# KiCad board TRX055.01.01.PB.00.00.kicad_pcb (continued)
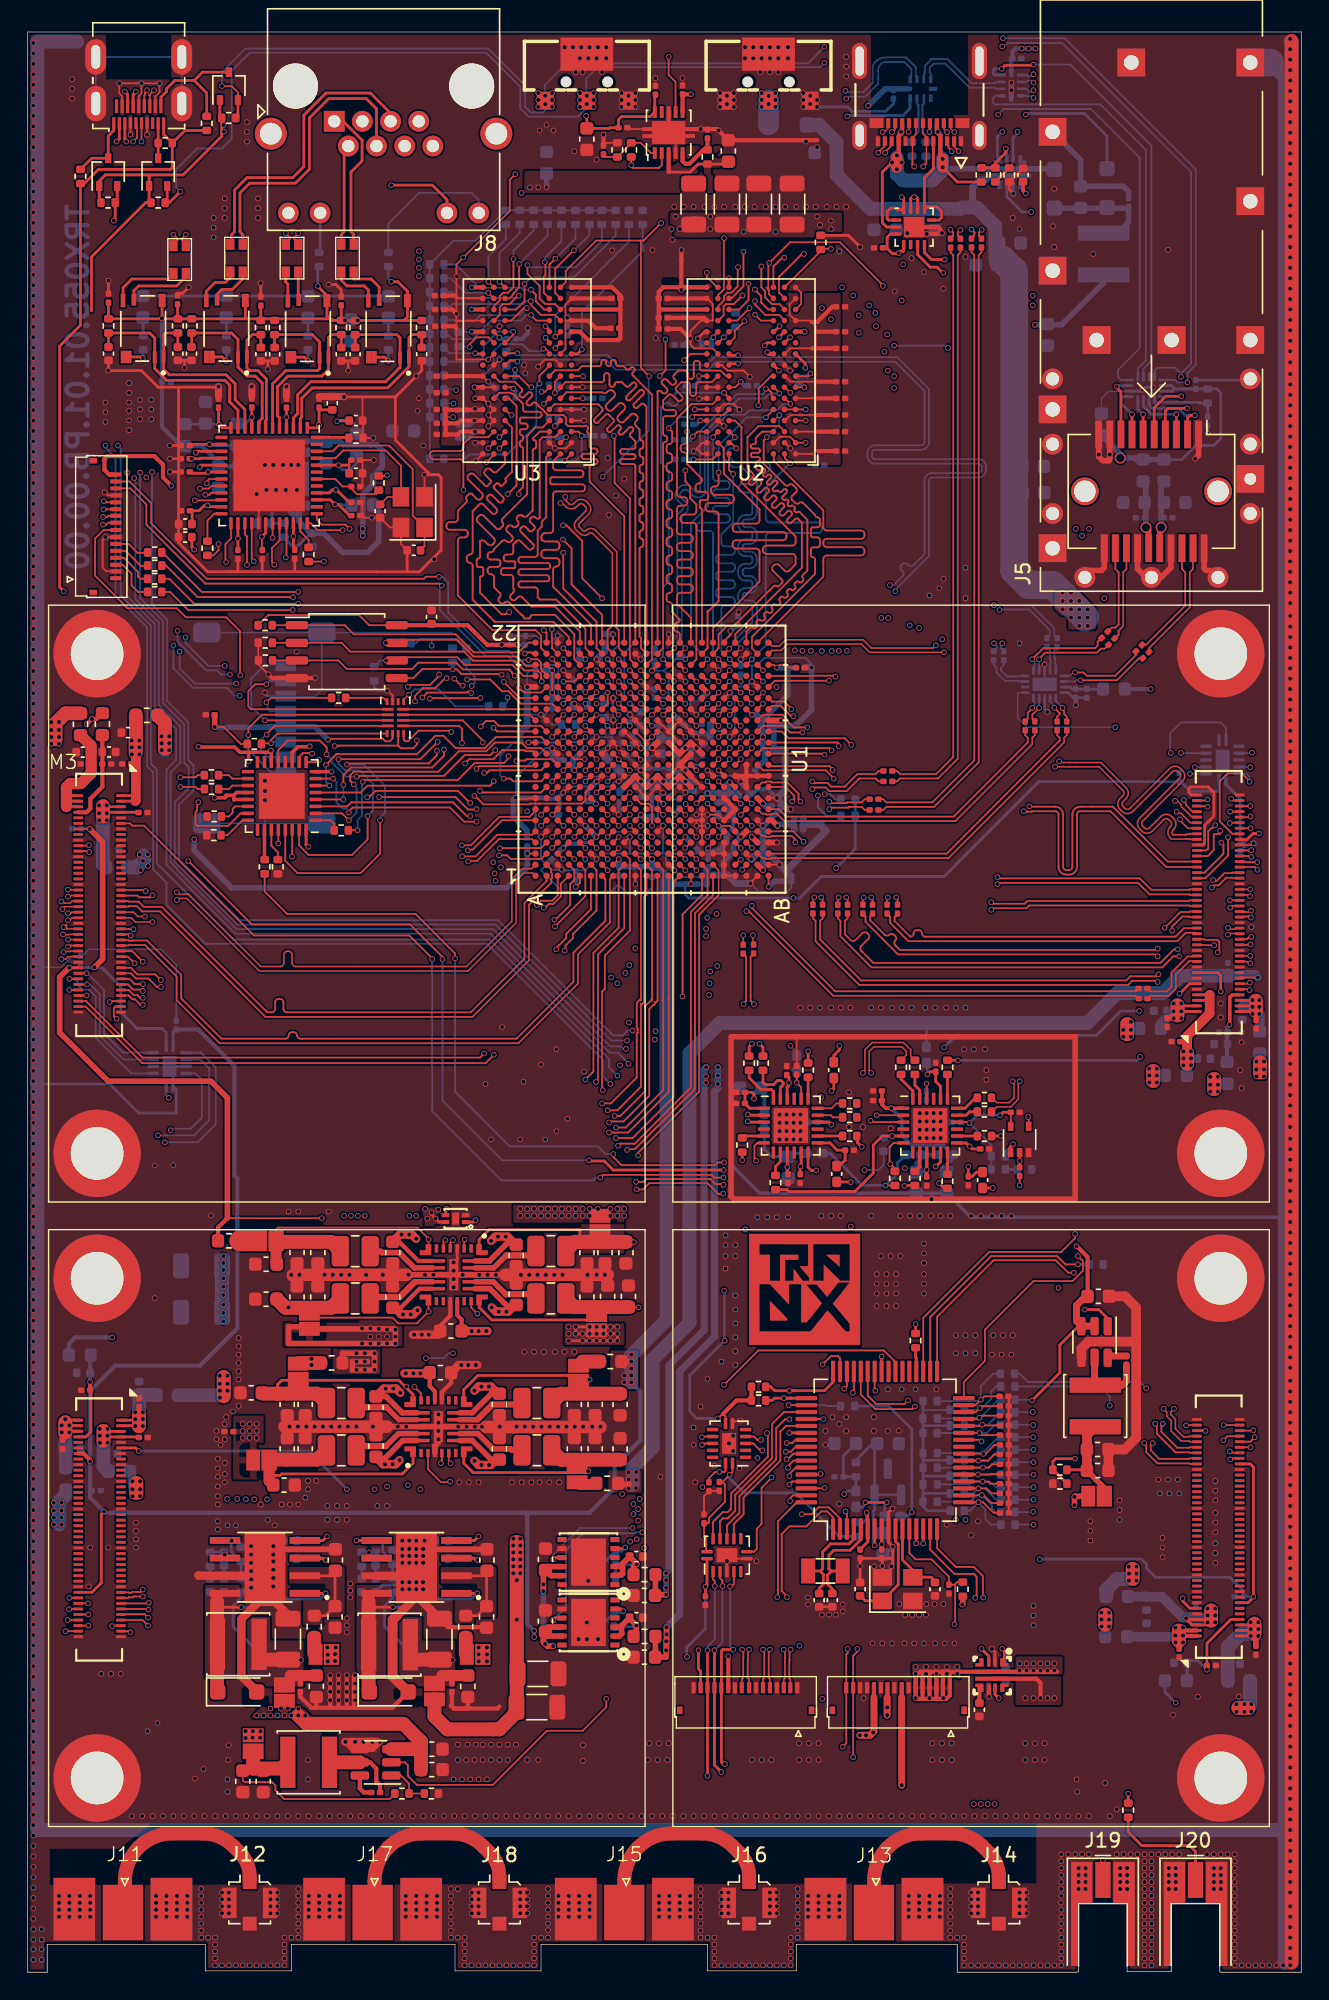
[diagram p0: board, top side]
## Routing (per net, layer and track width the routed paths; a pad name or vN(x,y) marks a point on that pad's centre or on a via; arc(x,y) is an arc through that point) (continued)
/ZynqDDR/DDR_DQ23: length 28.6
  Top w0.127: U1.R22 47.8,97.6 46.8,98.6 46.8,99.15 arc(46.87,99.32) 47.04,99.39 47.69,99.39 arc(47.86,99.46) 47.93,99.63 47.93,99.75 arc(47.86,99.92) 47.69,99.99 47.04,99.99 arc(46.87,100.06) 46.8,100.23 46.8,100.35 arc(46.87,100.52) 47.04,100.59 47.69,100.59 arc(47.86,100.66) 47.93,100.83 47.93,100.95 arc(47.86,101.12) 47.69,101.19 47.04,101.19 arc(46.87,101.26) 46.8,101.43 46.8,101.55 arc(46.87,101.72) 47.04,101.79 47.69,101.79 arc(47.86,101.86) 47.93,102.03 47.93,102.15 arc(47.86,102.32) 47.69,102.39 47.04,102.39 arc(46.87,102.46) 46.8,102.63 46.8,102.75 arc(46.87,102.92) 47.04,102.99 47.69,102.99 arc(47.86,103.06) 47.93,103.23 47.93,103.35 arc(47.86,103.52) 47.69,103.59 47.04,103.59 arc(46.87,103.66) 46.8,103.83 46.8,105.43 arc(46.87,105.6) 47.04,105.67 47.31,105.67 arc(47.48,105.74) 47.55,105.91 47.55,106.03 arc(47.48,106.2) 47.31,106.27 47.04,106.27 arc(46.87,106.34) 46.8,106.51 46.8,111.95 47.85,113 49.38,113 49.78,113.4
/ZynqDDR/DDR_DQ24: length 24.4
  Top w0.127: 52.2,94.6 v1(52.19,94.59) U1.Y20 ; v1(54.95,108.72) 54.58,109.1 54.58,109.4
  In2.Cu w0.127: v1(54.95,108.72) 55.03,108.65
  Bottom w0.127: v1(54.95,108.72) 53.2,106.97 53.2,104.76 arc(53.29,104.55) 53.5,104.46 56.96,104.46 arc(57.17,104.37) 57.26,104.16 57.26,104 arc(57.17,103.79) 56.96,103.7 53.5,103.7 arc(53.29,103.61) 53.2,103.4 53.2,95.6 v1(52.19,94.59)
/ZynqDDR/DDR_DQ25: length 27.8
  Top w0.127: U1.U22 49.4,96.85 52.75,100.2 52.75,102.34 arc(52.68,102.51) 52.51,102.58 51.05,102.58 arc(50.88,102.65) 50.81,102.82 50.81,102.94 arc(50.88,103.11) 51.05,103.18 54.45,103.18 arc(54.62,103.25) 54.69,103.42 54.69,103.54 arc(54.62,103.71) 54.45,103.78 51.05,103.78 arc(50.88,103.85) 50.81,104.02 50.81,104.14 arc(50.88,104.31) 51.05,104.38 52.51,104.38 arc(52.68,104.45) 52.75,104.62 52.75,105.4 50.18,107.97 50.18,109.8 49.78,110.2
/ZynqDDR/DDR_DQ26: length 28.1
  Top w0.127: U1.AA22 57.35,100.55 57.35,101.84 arc(57.42,102.01) 57.59,102.08 60.08,102.08 arc(60.25,102.15) 60.32,102.32 60.32,102.44 arc(60.25,102.61) 60.08,102.68 57.59,102.68 arc(57.42,102.75) 57.35,102.92 57.35,103.04 arc(57.42,103.21) 57.59,103.28 60.08,103.28 arc(60.25,103.35) 60.32,103.52 60.32,103.64 arc(60.25,103.81) 60.08,103.88 57.59,103.88 arc(57.42,103.95) 57.35,104.12 57.35,105.33 53.78,108.9 53.78,109.4
/ZynqDDR/DDR_DQ27: length 28.2
  Top w0.127: U1.U21 49.8,95.4 49.8,96.4 50.4,97 50.9,97 53.78,99.88 arc(53.87,99.92) 53.96,99.88 arc(54.05,99.85) 54.14,99.88 54.38,100.13 arc(54.42,100.22) 54.38,100.31 53.72,100.97 arc(53.65,101.14) 53.72,101.31 53.81,101.39 arc(53.98,101.46) 54.15,101.39 54.55,100.99 arc(54.72,100.92) 54.89,100.99 55.35,101.45 55.35,101.95 arc(55.28,102.12) 55.11,102.19 53.24,102.19 arc(53.07,102.26) 53,102.43 53,102.55 arc(53.07,102.72) 53.24,102.79 55.11,102.79 arc(55.28,102.86) 55.35,103.03 55.35,103.45 51.44,107.36 51.44,111.26 51.48,111.3 50.98,111.8 50.58,111.8
/ZynqDDR/DDR_DQ28: length 28.4
  Top w0.127: U1.W22 51,96.4 55.8,101.2 55.8,104.45 55.54,104.71 arc(55.43,104.75) 55.32,104.71 55.05,104.43 arc(54.94,104.39) 54.83,104.43 54.77,104.49 arc(54.73,104.6) 54.77,104.71 55.05,104.98 arc(55.09,105.09) 55.05,105.2 54.99,105.26 arc(54.88,105.31) 54.77,105.26 54.5,104.99 arc(54.39,104.94) 54.27,104.99 54.22,105.04 arc(54.17,105.15) 54.22,105.26 54.49,105.54 arc(54.54,105.65) 54.49,105.76 54.44,105.81 arc(54.33,105.86) 54.22,105.81 53.94,105.54 arc(53.83,105.49) 53.72,105.54 53.67,105.59 arc(53.62,105.7) 53.67,105.81 53.94,106.09 arc(53.99,106.2) 53.94,106.31 53.89,106.36 arc(53.78,106.41) 53.67,106.36 53.39,106.09 arc(53.28,106.04) 53.17,106.09 53.12,106.14 arc(53.07,106.25) 53.12,106.36 53.39,106.64 arc(53.44,106.75) 53.39,106.86 53.34,106.91 arc(53.23,106.96) 53.12,106.91 52.84,106.64 arc(52.73,106.59) 52.62,106.64 52.57,106.7 arc(52.52,106.81) 52.57,106.92 52.84,107.19 arc(52.89,107.3) 52.84,107.41 52.78,107.47 arc(52.67,107.51) 52.56,107.47 52.29,107.19 arc(52.18,107.15) 52.07,107.19 52.01,107.25 arc(51.97,107.36) 52.01,107.47 52.29,107.74 arc(52.33,107.85) 52.29,107.96 51.88,108.37 51.88,110.6 52.68,111.4 54.18,111.4 54.58,111
/ZynqDDR/DDR_DQ29: length 24.6
  Top w0.127: U1.W20 v1(50.6,94.6) ; v1(50.85,107.95) 50.55,108.25 U2.A7
  Bottom w0.127: 50,97.95 50,95.2 v1(50.6,94.6) ; 50,97.95 50,98.23 arc(50.07,98.4) 50.24,98.47 50.73,98.47 arc(50.9,98.54) 50.97,98.71 50.97,98.84 arc(50.9,99.01) 50.73,99.08 49.81,99.08 arc(49.68,99.13) 49.63,99.26 49.63,99.5 arc(49.68,99.63) 49.81,99.69 50.73,99.69 arc(50.9,99.76) 50.97,99.93 50.97,100.06 arc(50.9,100.23) 50.73,100.3 49.81,100.3 arc(49.68,100.35) 49.63,100.48 49.63,100.72 arc(49.68,100.85) 49.81,100.91 50.73,100.91 arc(50.9,100.98) 50.97,101.15 50.97,101.28 arc(50.9,101.45) 50.73,101.52 49.81,101.52 arc(49.68,101.57) 49.63,101.7 49.63,101.94 arc(49.68,102.07) 49.81,102.13 50.73,102.13 arc(50.9,102.2) 50.97,102.37 50.97,102.5 arc(50.9,102.67) 50.73,102.74 50.24,102.74 arc(50.07,102.81) 50,102.98 50,103.6 50.85,104.45 v1(50.85,107.95) ; 50,97.95 50,97.99
/ZynqDDR/DDR_DQ30: length 25.4
  Top w0.127: 49.78,111 49.41,110.64 ; U1.V20 49.8,94.6
  In2.Cu w0.127: 49.8,94.64 v1(49.8,94.6)
  Bottom w0.127: v1(49.4,110.6) 49.4,107.69 arc(49.47,107.52) 49.64,107.45 50.36,107.45 arc(50.53,107.38) 50.6,107.21 50.6,107.09 arc(50.53,106.92) 50.36,106.85 49.64,106.85 arc(49.47,106.78) 49.4,106.61 49.4,106.49 arc(49.47,106.32) 49.64,106.25 50.36,106.25 arc(50.53,106.18) 50.6,106.01 50.6,105.89 arc(50.53,105.72) 50.36,105.65 49.64,105.65 arc(49.47,105.58) 49.4,105.41 49.4,105.29 arc(49.47,105.12) 49.64,105.05 50.36,105.05 arc(50.53,104.98) 50.6,104.81 50.6,104.69 arc(50.53,104.52) 50.36,104.45 48.44,104.45 arc(48.27,104.38) 48.2,104.21 48.2,104.09 arc(48.27,103.92) 48.44,103.85 49.16,103.85 arc(49.33,103.78) 49.4,103.61 49.4,95 v1(49.8,94.6) 49.8,94.6
/ZynqDDR/DDR_DQ31: length 28.3
  Top w0.127: 53.78,111 52.93,111 52.48,110.55 52.48,110.22 arc(52.44,110.13) 52.35,110.1 52.25,110.1 arc(52.16,110.06) 52.13,109.97 52.13,109.91 arc(52.16,109.82) 52.25,109.79 52.65,109.79 arc(52.74,109.75) 52.78,109.66 52.78,109.6 arc(52.74,109.51) 52.65,109.48 52.25,109.48 arc(52.16,109.44) 52.13,109.35 52.13,109.29 arc(52.16,109.2) 52.25,109.17 52.65,109.17 arc(52.74,109.13) 52.78,109.04 52.78,108.98 arc(52.74,108.89) 52.65,108.86 52.6,108.86 arc(52.51,108.82) 52.48,108.73 52.48,108.37 52.63,108.22 arc(52.72,108.18) 52.81,108.22 52.91,108.33 arc(53,108.36) 53.09,108.33 53.13,108.28 arc(53.17,108.2) 53.13,108.11 53.03,108 arc(52.99,107.91) 53.03,107.82 53.07,107.78 arc(53.16,107.74) 53.24,107.78 53.35,107.89 arc(53.44,107.92) 53.53,107.89 53.57,107.84 arc(53.61,107.76) 53.57,107.67 53.31,107.4 arc(53.28,107.33) 53.31,107.26 53.38,107.18 arc(53.45,107.15) 53.52,107.18 53.79,107.45 arc(53.88,107.49) 53.97,107.45 54.01,107.41 arc(54.05,107.32) 54.01,107.23 53.73,106.95 arc(53.69,106.86) 53.73,106.77 53.77,106.73 arc(53.86,106.69) 53.94,106.73 53.95,106.73 arc(54.03,106.77) 54.12,106.73 54.17,106.68 arc(54.25,106.65) 54.34,106.68 54.48,106.83 arc(54.57,106.86) 54.66,106.83 54.7,106.78 arc(54.74,106.7) 54.7,106.61 54.4,106.31 arc(54.37,106.24) 54.4,106.17 54.48,106.09 arc(54.55,106.06) 54.62,106.09 arc(54.69,106.12) 54.76,106.09 54.81,106.04 arc(54.84,105.96) 54.81,105.87 54.8,105.87 arc(54.77,105.78) 54.8,105.69 54.85,105.65 arc(54.94,105.61) 55.02,105.65 55.02,105.65 arc(55.11,105.69) 55.2,105.65 55.28,105.57 arc(55.31,105.5) 55.28,105.43 arc(55.25,105.36) 55.28,105.29 55.36,105.21 arc(55.43,105.18) 55.5,105.21 arc(55.57,105.24) 55.64,105.21 56.2,104.65 56.2,101 55.86,100.66 arc(55.82,100.56) 55.86,100.45 arc(55.91,100.34) 55.86,100.24 55.8,100.17 arc(55.69,100.13) 55.59,100.17 arc(55.48,100.22) 55.37,100.17 55.31,100.11 arc(55.27,100) 55.31,99.9 arc(55.35,99.79) 55.31,99.69 55.25,99.62 arc(55.14,99.58) 55.04,99.62 arc(54.93,99.67) 54.82,99.62 54.76,99.56 arc(54.72,99.45) 54.76,99.35 arc(54.8,99.24) 54.76,99.14 54.7,99.07 arc(54.59,99.03) 54.48,99.07 arc(54.38,99.12) 54.27,99.07 54.21,99.01 arc(54.16,98.9) 54.21,98.8 arc(54.25,98.69) 54.21,98.58 54.14,98.52 arc(54.04,98.48) 53.93,98.52 arc(53.83,98.56) 53.72,98.52 53.66,98.46 arc(53.61,98.35) 53.66,98.24 arc(53.7,98.14) 53.66,98.03 53.59,97.97 arc(53.49,97.92) 53.38,97.97 arc(53.27,98.01) 53.17,97.97 53.1,97.9 arc(53.06,97.8) 53.1,97.69 arc(53.15,97.59) 53.1,97.48 53.04,97.42 arc(52.94,97.37) 52.83,97.42 arc(52.72,97.46) 52.62,97.42 52.55,97.35 arc(52.51,97.25) 52.55,97.14 arc(52.6,97.04) 52.55,96.93 52.49,96.87 arc(52.38,96.82) 52.28,96.87 arc(52.17,96.91) 52.07,96.87 51.8,96.6 U1.Y22 51.94,95.8
/ZynqDDR/DDR_DQS0_N: length 26.5
  Top w0.127: U1.D21 v1(38.6,95.4) ; v1(34,109.8) U3.B7
  In2.Cu w0.106: 38.6,97.38 36.53,99.45 36.16,99.45 arc(36,99.52) 35.93,99.69 35.93,99.91 arc(35.77,100.29) 35.38,100.45 35.19,100.45 arc(34.81,100.29) 34.65,99.91 34.65,99.69 arc(34.58,99.52) 34.41,99.45 33.05,100.81 33.05,101.77 arc(32.94,102.06) 32.65,102.17 arc(32.59,102.2) 32.56,102.27 32.56,102.74 arc(32.59,102.81) 32.65,102.83 33.51,102.83 arc(33.89,102.99) 34.05,103.38 34.05,103.57 arc(33.89,103.96) 33.51,104.11 32.65,104.11 arc(32.59,104.14) 32.56,104.21 32.56,104.68 arc(32.59,104.75) 32.65,104.77 33.51,104.77 arc(33.89,104.93) 34.05,105.32 34.05,105.51 arc(33.89,105.9) 33.51,106.05 33.29,106.05 arc(33.12,106.12) 33.05,106.29 33.05,106.74 33.24,106.92 arc(33.41,106.99) 33.58,106.92 33.79,106.7 arc(33.96,106.63) 34.13,106.7 34.22,106.78 arc(34.29,106.95) 34.22,107.12 34,107.34 arc(33.93,107.51) 34,107.68 v1(34,109.8)
  In2.Cu w0.107: v1(38.6,95.4) 38.6,97.38
/ZynqDDR/DDR_DQS0_P: length 26.5
  Top w0.124: v1(37.78,96.75) 37.78,96.12 37.8,96.1 37.8,95.42 37.79,95.41 U1.C21
  Top w0.127: U3.C7 v1(34,110.6)
  In2.Cu w0.106: v1(34,110.6) 33.69,110.29 33.69,109.99 33.65,109.95 33.65,109.65 33.69,109.61 33.69,107.81 32.75,106.86 32.75,106.29 arc(32.9,105.9) 33.29,105.74 33.51,105.74 arc(33.67,105.68) 33.74,105.51 33.74,105.32 arc(33.67,105.15) 33.51,105.08 32.65,105.08 arc(32.37,104.97) 32.25,104.68 32.25,104.21 arc(32.37,103.92) 32.65,103.8 33.51,103.8 arc(33.67,103.74) 33.74,103.57 33.74,103.38 arc(33.67,103.21) 33.51,103.14 32.65,103.14 arc(32.37,103.03) 32.25,102.74 32.25,102.27 arc(32.37,101.98) 32.65,101.86 arc(32.72,101.84) 32.75,101.77 32.75,100.69 34.29,99.15 34.41,99.15 arc(34.8,99.3) 34.96,99.69 34.96,99.91 arc(35.03,100.07) 35.19,100.14 35.38,100.14 arc(35.55,100.07) 35.62,99.91 35.62,99.69 arc(35.78,99.3) 36.16,99.15 36.37,99.15 38.18,97.33
  In2.Cu w0.107: v1(37.78,96.75) 38.27,97.24 ; 38.18,97.33 38.18,97.33 38.27,97.25
/ZynqDDR/DDR_DQS1_N: length 26.6
  Top w0.106: 42.4,96.9 42.45,96.95 42.45,102.37 40.93,103.89 arc(40.59,104.03) 40.25,103.89 arc(40.13,103.84) 40.01,103.89 39.76,104.13 arc(39.71,104.25) 39.76,104.38 40.42,105.03 arc(40.58,105.43) 40.42,105.82 40.28,105.96 arc(39.89,106.12) 39.49,105.96 39.35,105.82 arc(39.18,105.74) 39,105.82 38.75,106.07 v1(38.75,106.3)
  Top w0.127: v1(37.03,113.87) 37.27,113.87 U3.G3 ; U1.J21 42.6,95.4 42.6,96.7 42.4,96.9
  In2.Cu w0.106: v1(38.75,106.3) 38.62,106.3 37.05,107.86 37.05,108.56 arc(37.07,108.6) 37.11,108.61 arc(37.36,108.72) 37.47,108.98 37.47,109.51 arc(37.36,109.77) 37.11,109.87 36.69,109.87 arc(36.65,109.89) 36.64,109.93 36.64,110.46 arc(36.65,110.5) 36.69,110.51 arc(36.95,110.62) 37.05,110.88 37.05,111.14 38.15,112.24 38.15,112.75 v1(37.03,113.87)
/ZynqDDR/DDR_DQS1_P: length 25.6
  Top w0.106: v1(38.4,105.85) 38.53,105.85 38.78,105.6 arc(39.18,105.43) 39.57,105.6 39.71,105.74 arc(39.89,105.81) 40.06,105.74 40.2,105.6 arc(40.27,105.43) 40.2,105.25 39.54,104.59 arc(39.4,104.25) 39.54,103.91 39.79,103.67 arc(40.13,103.53) 40.47,103.67 arc(40.59,103.72) 40.71,103.67 42.14,102.24 42.14,97.04 42.03,96.92
  Top w0.127: U1.H21 41.8,95.4 41.8,96.7 42.03,96.92 ; U3.F3 v1(37.2,113)
  In2.Cu w0.106: v1(38.4,105.85) 38.4,106.08 36.75,107.74 36.75,108.56 arc(36.85,108.82) 37.11,108.92 arc(37.15,108.94) 37.16,108.98 37.16,109.51 arc(37.15,109.55) 37.11,109.56 36.69,109.56 arc(36.44,109.67) 36.33,109.93 36.33,110.46 arc(36.44,110.72) 36.69,110.82 arc(36.73,110.84) 36.75,110.88 36.75,111.26 37.85,112.36 37.85,112.62 37.46,113 v1(37.2,113)
/ZynqDDR/DDR_DQS2_N: length 25.8
  Top w0.127: U1.P21 47.38,95.37 ; 53.78,114.2 54.18,113.8
  Bottom w0.124: v1(47.4,95.4) 47.15,95.65 47.15,104.87 47.42,105.14 arc(47.58,105.54) 47.42,105.94 47.08,106.28 arc(47,106.45) 47.08,106.62 47.22,106.77 arc(47.39,106.84) 47.56,106.77 47.9,106.42 arc(48.3,106.26) 48.7,106.42 48.8,106.52 48.8,110.92 51.27,113.39 53.13,113.39 53.49,113.75 v1(54.18,113.75)
/ZynqDDR/DDR_DQS2_P: length 25.8
  Top w0.127: 53.33,114.09 53.62,113.81 53.62,113.56 53.78,113.4 ; U1.N21 46.6,95.4
  Bottom w0.124: v1(46.6,95.42) 46.82,95.65 46.82,105.01 47.19,105.37 arc(47.26,105.54) 47.19,105.71 46.84,106.05 arc(46.68,106.45) 46.84,106.85 46.99,107 arc(47.39,107.16) 47.79,107 48.13,106.65 arc(48.3,106.58) 48.47,106.65 48.47,111.05 51.13,113.71 52.99,113.71 53.26,113.98
  Bottom w0.127: 46.6,95.4 v1(46.6,95.42)
  vias: v1(53.2,114.09)
/ZynqDDR/DDR_DQS3_N: length 25.9
  Top w0.127: U1.W21 v1(51.4,95.4) ; 50.58,110.2 50.68,110.2 v1(51.08,109.8)
  Bottom w0.124: 52.32,96.88 52.56,97.13 52.56,98.32 arc(52.41,98.69) 52.05,98.84 51.73,98.84 arc(51.6,98.89) 51.54,99.03 51.54,99.2 arc(51.6,99.34) 51.73,99.39 52.05,99.39 arc(52.41,99.54) 52.56,99.91 52.56,100.08 arc(52.41,100.45) 52.05,100.6 51.73,100.6 arc(51.6,100.65) 51.54,100.79 51.54,100.96 arc(51.6,101.1) 51.73,101.15 52.05,101.15 arc(52.41,101.3) 52.56,101.67 52.56,101.84 arc(52.41,102.21) 52.05,102.36 51.73,102.36 arc(51.6,102.41) 51.54,102.55 51.54,102.72 arc(51.6,102.86) 51.73,102.91 52.05,102.91 arc(52.41,103.06) 52.56,103.43 52.56,103.6 arc(52.41,103.97) 52.05,104.12 51.73,104.12 arc(51.6,104.17) 51.54,104.31 51.54,104.48 arc(51.6,104.62) 51.73,104.67 52.05,104.67 arc(52.41,104.82) 52.56,105.19 52.56,107.86 52.7,108 53.2,108 53.5,108.3 53.5,108.6 53.34,108.76 50.97,108.76 50.46,109.27 50.46,109.62 50.64,109.8 v1(51.08,109.8)
  Bottom w0.127: v1(51.4,95.4) 51.17,95.63 51.17,95.73 52.32,96.88
/ZynqDDR/DDR_DQS3_P: length 25.9
  Top w0.127: 50.58,111 50.98,110.6 ; U1.V21 v1(50.56,95.36)
  Bottom w0.124: v1(50.97,110.59) 50.14,109.76 50.14,109.13 50.83,108.44 51.48,108.44 52.24,107.68 52.24,107.46 arc(52.17,107.29) 52,107.22 51.49,107.22 arc(51.32,107.15) 51.25,106.98 51.25,106.86 arc(51.32,106.69) 51.49,106.62 52,106.62 arc(52.17,106.55) 52.24,106.38 52.24,105.19 arc(52.18,105.05) 52.05,105 51.73,105 arc(51.36,104.85) 51.21,104.48 51.21,104.31 arc(51.36,103.94) 51.73,103.79 52.05,103.79 arc(52.18,103.74) 52.24,103.6 52.24,103.43 arc(52.18,103.29) 52.05,103.24 51.73,103.24 arc(51.36,103.09) 51.21,102.72 51.21,102.55 arc(51.36,102.18) 51.73,102.03 52.05,102.03 arc(52.18,101.98) 52.24,101.84 52.24,101.67 arc(52.18,101.53) 52.05,101.48 51.73,101.48 arc(51.36,101.33) 51.21,100.96 51.21,100.79 arc(51.36,100.42) 51.73,100.27 52.05,100.27 arc(52.18,100.22) 52.24,100.08 52.24,99.91 arc(52.18,99.77) 52.05,99.72 51.73,99.72 arc(51.36,99.57) 51.21,99.2 51.21,99.03 arc(51.36,98.66) 51.73,98.51 52.05,98.51 arc(52.18,98.46) 52.24,98.32 52.24,97.27 52.08,97.12
  Bottom w0.127: 52.08,97.12 50.83,95.87 50.83,95.63 v1(50.56,95.36)
/ZynqDDR/DDR_ODT: length 95.1
  Top w0.2: U1.P18 v1(47.4,92.2) ; U2.K1 56.05,115.9 v1(56.05,115.6) ; v1(39.95,116.92) 39.63,116.6 U3.K1
  In2.Cu w0.127: v1(62,115.4) 62,114 63.3,112.7 arc(63.47,112.63) 63.64,112.7 63.91,112.98 arc(64.08,113.05) 64.25,112.98 64.34,112.9 arc(64.41,112.73) 64.34,112.56 64.06,112.28 arc(63.99,112.11) 64.06,111.94 64.14,111.86 arc(64.31,111.79) 64.48,111.86 64.76,112.13 arc(64.93,112.2) 65.1,112.13 65.18,112.05 arc(65.25,111.88) 65.18,111.71 64.66,111.18 arc(64.63,111.11) 64.66,111.03 64.93,110.76 arc(65.01,110.73) 65.08,110.76 arc(65.16,110.79) 65.24,110.76 65.7,110.3 65.7,109.94 arc(65.77,109.77) 65.94,109.7 65.98,109.7 arc(66.15,109.63) 66.22,109.46 66.22,109.34 arc(66.15,109.17) 65.98,109.1 65.94,109.1 arc(65.77,109.03) 65.7,108.86 65.7,108.74 arc(65.77,108.57) 65.94,108.5 65.98,108.5 arc(66.15,108.43) 66.22,108.26 66.22,108.14 arc(66.15,107.97) 65.98,107.9 65.94,107.9 arc(65.77,107.83) 65.7,107.66 65.7,107.54 arc(65.77,107.37) 65.94,107.3 65.98,107.3 arc(66.15,107.23) 66.22,107.06 66.22,106.94 arc(66.15,106.77) 65.98,106.7 65.94,106.7 arc(65.77,106.63) 65.7,106.46 65.7,106.34 arc(65.77,106.17) 65.94,106.1 65.98,106.1 arc(66.15,106.03) 66.22,105.86 66.22,105.74 arc(66.15,105.57) 65.98,105.5 65.94,105.5 arc(65.77,105.43) 65.7,105.26 65.7,104.61 65.05,103.96 arc(65.02,103.9) 65.05,103.84 arc(65.07,103.78) 65.05,103.72 64.74,103.42 arc(64.68,103.39) 64.62,103.42 arc(64.56,103.44) 64.5,103.42 64.2,103.11 arc(64.17,103.05) 64.2,102.99 arc(64.22,102.93) 64.2,102.87 63.89,102.57 arc(63.83,102.54) 63.77,102.57 arc(63.71,102.59) 63.65,102.57 63.35,102.26 arc(63.32,102.2) 63.35,102.14 arc(63.37,102.08) 63.35,102.02 63.05,101.72 arc(62.99,101.69) 62.93,101.72 arc(62.87,101.74) 62.81,101.72 61.89,100.8 61.68,100.8 arc(61.51,100.73) 61.44,100.56 61.44,100.27 arc(61.37,100.1) 61.2,100.03 61.08,100.03 arc(60.91,100.1) 60.84,100.27 60.84,100.56 arc(60.77,100.73) 60.6,100.8 60.48,100.8 arc(60.31,100.73) 60.24,100.56 60.24,100.27 arc(60.17,100.1) 60,100.03 59.88,100.03 arc(59.71,100.1) 59.64,100.27 59.64,100.56 arc(59.57,100.73) 59.4,100.8 59.28,100.8 arc(59.11,100.73) 59.04,100.56 59.04,100.27 arc(58.97,100.1) 58.8,100.03 58.68,100.03 arc(58.51,100.1) 58.44,100.27 58.44,100.56 arc(58.37,100.73) 58.2,100.8 58.08,100.8 arc(57.91,100.73) 57.84,100.56 57.84,100.27 arc(57.77,100.1) 57.6,100.03 57.48,100.03 arc(57.31,100.1) 57.24,100.27 57.24,100.56 arc(57.17,100.73) 57,100.8 56.88,100.8 arc(56.71,100.73) 56.64,100.56 56.64,100.27 arc(56.57,100.1) 56.4,100.03 56.28,100.03 arc(56.11,100.1) 56.04,100.27 56.04,100.56 arc(55.97,100.73) 55.8,100.8 55.68,100.8 arc(55.51,100.73) 55.44,100.56 55.44,100.27 arc(55.37,100.1) 55.2,100.03 55.08,100.03 arc(54.91,100.1) 54.84,100.27 54.84,100.56 arc(54.77,100.73) 54.6,100.8 54.48,100.8 arc(54.31,100.73) 54.24,100.56 54.24,100.02 arc(54.17,99.85) 54,99.78 53.88,99.78 arc(53.71,99.85) 53.64,100.02 53.64,100.56 arc(53.57,100.73) 53.4,100.8 52.62,100.02 arc(52.55,99.85) 52.62,99.68 53.15,99.16 arc(53.22,98.99) 53.15,98.82 53.06,98.74 arc(52.89,98.67) 52.72,98.74 52.2,99.26 arc(52.03,99.33) 51.86,99.26 51.77,99.17 arc(51.7,99) 51.77,98.84 51.87,98.74 arc(51.94,98.57) 51.87,98.4 51.79,98.31 arc(51.62,98.24) 51.45,98.31 51.35,98.41 arc(51.18,98.48) 51.01,98.41 50.85,98.25 arc(50.79,98.12) 50.85,97.99 arc(50.9,97.86) 50.85,97.72 50.69,97.56 arc(50.55,97.51) 50.42,97.56 arc(50.29,97.62) 50.16,97.56 50.08,97.48 arc(50.01,97.31) 50.08,97.14 50.21,97 arc(50.28,96.83) 50.21,96.66 50.13,96.58 arc(49.96,96.51) 49.79,96.58 49.65,96.71 arc(49.48,96.78) 49.31,96.71 49.23,96.63 arc(49.16,96.46) 49.23,96.29 49.75,95.77 arc(49.82,95.6) 49.75,95.43 49.67,95.34 arc(49.5,95.27) 49.33,95.34 48.8,95.87 arc(48.63,95.94) 48.47,95.87 48.3,95.7 48.3,93.9 47.84,93.44 47.84,92.64 v1(47.4,92.2) ; v1(56.05,115.6) 55.89,115.76 52.15,115.76 51.85,115.46 50.95,115.46 49.71,116.71 43.86,116.71 arc(43.79,116.74) 43.75,116.82 arc(43.72,116.89) 43.64,116.93 43.26,116.93 arc(43.19,116.89) 43.15,116.82 43.15,116.6 arc(43.12,116.52) 43.04,116.49 42.66,116.49 arc(42.59,116.52) 42.55,116.6 arc(42.52,116.67) 42.44,116.71 40.16,116.71 v1(39.95,116.92)
  In4.Cu w0.127: v1(62,115.4) 59.5,115.4 59.3,115.6 v1(56.05,115.6)
  Bottom w0.127: v1(39.95,116.92) 39.95,119.63 44.33,124.01 R46.1
/ZynqDDR/DDR_RAS: length 94.5
  Top w0.127: v1(36.88,114.46) 36.88,115.02 37.61,115.75 37.61,115.8 ; v1(54.15,115.4) 54.13,115.4
  Top w0.2: U1.R18 v1(48.2,92.2) ; U2.J3 v1(54.15,115.4)
  In2.Cu w0.127: v1(62.45,114.15) 63.45,114.15 66.45,111.15 66.45,104.78 65.7,104.03 arc(65.63,103.86) 65.7,103.69 66.09,103.3 arc(66.16,103.13) 66.09,102.96 66.01,102.88 arc(65.84,102.81) 65.67,102.88 65.28,103.26 arc(65.11,103.34) 64.94,103.26 64.85,103.18 arc(64.78,103.01) 64.85,102.84 65.24,102.45 arc(65.31,102.28) 65.24,102.11 65.16,102.03 arc(64.99,101.96) 64.82,102.03 64.43,102.42 arc(64.26,102.49) 64.09,102.42 64.01,102.33 arc(63.94,102.16) 64.01,101.99 64.39,101.6 arc(64.46,101.43) 64.39,101.26 64.31,101.18 arc(64.14,101.11) 63.97,101.18 63.58,101.57 arc(63.41,101.64) 63.24,101.57 63.16,101.48 arc(63.09,101.31) 63.16,101.14 63.55,100.75 arc(63.62,100.58) 63.55,100.42 63.46,100.33 arc(63.29,100.26) 63.12,100.33 62.73,100.72 arc(62.56,100.79) 62.39,100.72 61.47,99.8 60.96,99.8 arc(60.81,99.74) 60.74,99.58 arc(60.68,99.43) 60.53,99.37 60.36,99.37 arc(60.21,99.43) 60.14,99.58 arc(60.08,99.74) 59.93,99.8 59.76,99.8 arc(59.61,99.74) 59.54,99.58 arc(59.48,99.43) 59.33,99.37 59.16,99.37 arc(59.01,99.43) 58.94,99.58 arc(58.88,99.74) 58.73,99.8 58.56,99.8 arc(58.41,99.74) 58.34,99.58 arc(58.28,99.43) 58.13,99.37 57.96,99.37 arc(57.81,99.43) 57.74,99.58 arc(57.68,99.74) 57.53,99.8 57.36,99.8 arc(57.21,99.74) 57.14,99.58 arc(57.08,99.43) 56.93,99.37 56.76,99.37 arc(56.61,99.43) 56.54,99.58 arc(56.48,99.74) 56.33,99.8 56.16,99.8 arc(56.01,99.74) 55.94,99.58 arc(55.88,99.43) 55.73,99.37 55.56,99.37 arc(55.41,99.43) 55.34,99.58 arc(55.28,99.74) 55.13,99.8 54.48,99.8 54.08,99.41 arc(54.01,99.24) 54.08,99.07 54.47,98.68 arc(54.54,98.51) 54.47,98.34 54.39,98.25 arc(54.22,98.18) 54.05,98.25 53.66,98.64 arc(53.49,98.71) 53.32,98.64 53.24,98.56 arc(53.17,98.39) 53.24,98.22 53.62,97.83 arc(53.7,97.66) 53.62,97.49 53.54,97.4 arc(53.37,97.33) 53.2,97.4 52.4,98.2 arc(52.23,98.27) 52.06,98.2 51.98,98.12 arc(51.91,97.95) 51.98,97.78 52.78,96.98 arc(52.85,96.81) 52.78,96.64 52.69,96.56 arc(52.52,96.49) 52.35,96.56 51.38,97.53 arc(51.21,97.6) 51.04,97.53 50.95,97.45 arc(50.88,97.28) 50.95,97.11 51.82,96.24 arc(51.89,96.07) 51.82,95.9 51.74,95.81 arc(51.57,95.74) 51.4,95.81 51.11,96.1 arc(50.94,96.17) 50.78,96.1 49.43,94.75 49.43,94.48 48.6,93.65 48.6,92.71 48.2,92.31 v1(48.2,92.2)
  In4.Cu w0.127: 36.99,114.35 v1(36.88,114.46) 37,114.58 40.31,114.58 40.66,114.23 51.88,114.23 52.61,114.96 53.71,114.96 v1(54.15,115.4) 54.72,114.83 61.77,114.83 v1(62.45,114.15)
  Bottom w0.127: R43.1 31.51,109.05 31.81,109.35 34.56,109.35 36.67,111.46 36.67,114.25 v1(36.88,114.46)
/ZynqDDR/DDR_RST: length 61.5
  Top w0.127: v1(45.66,126.03) 44.39,124.77 44.39,124.76 40.97,124.76 38.78,122.58 38.78,121.77 38.41,121.4 ; U2.T2 57.32,124.17 57.92,124.17 ; v1(44.79,115) 44.2,115.59 44.2,124.76
  Top w0.2: U1.F20 v1(40.2,93.8)
  In2.Cu w0.127: v1(45.66,126.03) 56.03,126.03 v1(57.9,124.16) ; 41.44,107.76 40.28,106.6 40.28,106.6 39.4,105.72 39.4,94.6 v1(40.2,93.8)
  Bottom w0.127: 44.77,115.01 44.77,111.08 v1(41.44,107.76)
/ZynqDDR/DDR_WE: length 88.8
  Top w0.127: v1(37.32,117.77) 37.52,117.57 37.52,117.49 37.61,117.4
  Top w0.2: U2.L3 53.31,117.4 v1(53.12,117.21) ; U1.R19 v1(48.2,93)
  In2.Cu w0.127: v1(53.12,117.21) 52.91,117.21 52.65,116.95 45.2,116.95 44.67,117.48 41.34,117.48 arc(41.19,117.42) 41.13,117.27 arc(41.07,117.12) 40.91,117.05 40.74,117.05 arc(40.59,117.12) 40.53,117.27 arc(40.47,117.42) 40.31,117.48 37.61,117.48 v1(37.32,117.77)
  In4.Cu w0.127: v1(53.12,117.21) 53.39,117.21 53.39,117.21 61.8,117.21 ; 61.8,117.21 61.86,117.21 ; 61.8,117.21 62.44,117.21 v1(62.45,117.2) ; 30.66,113.04 31.42,112.29 32.4,112.29 32.75,112.64 33.37,112.64 33.43,112.7 33.67,112.7 33.97,113.01 33.97,115 34.44,115.47 34.44,116.76 35.06,117.37 36.07,117.37 36.47,117.77 v1(37.32,117.77) ; v1(48.2,93) 48.2,93.1 49.36,94.26 49.36,94.86 49.49,94.99 51.19,94.99 51.2,95 52.6,95 53,95.4 53.2,95.4 56.7,98.9 62.9,98.9 64.26,100.26 arc(64.33,100.42) 64.26,100.59 64.03,100.82 arc(63.96,100.99) 64.03,101.16 64.11,101.25 arc(64.28,101.32) 64.45,101.25 64.68,101.02 arc(64.85,100.95) 65.02,101.02 65.1,101.1 arc(65.17,101.27) 65.1,101.44 64.84,101.7 arc(64.77,101.87) 64.84,102.04 64.93,102.13 arc(65.1,102.2) 65.27,102.13 65.53,101.87 arc(65.7,101.8) 65.87,101.87 66.33,102.33 66.33,103.3 arc(66.28,103.42) 66.15,103.48 arc(66.03,103.53) 65.98,103.65 65.98,103.9 arc(66.03,104.02) 66.15,104.08 66.79,104.08 arc(66.96,104.15) 67.03,104.32 67.03,104.44 arc(66.96,104.61) 66.79,104.68 66.57,104.68 arc(66.4,104.75) 66.33,104.92 66.33,105.04 arc(66.4,105.21) 66.57,105.28 66.79,105.28 arc(66.96,105.35) 67.03,105.52 67.03,105.64 arc(66.96,105.81) 66.79,105.88 66.57,105.88 arc(66.4,105.95) 66.33,106.12 66.33,106.24 arc(66.4,106.41) 66.57,106.48 66.79,106.48 arc(66.96,106.55) 67.03,106.72 67.03,106.84 arc(66.96,107.01) 66.79,107.08 66.57,107.08 arc(66.4,107.15) 66.33,107.32 66.33,107.44 arc(66.4,107.61) 66.57,107.68 66.79,107.68 arc(66.96,107.75) 67.03,107.92 67.03,108.04 arc(66.96,108.21) 66.79,108.28 66.57,108.28 arc(66.4,108.35) 66.33,108.52 66.33,108.64 arc(66.4,108.81) 66.57,108.88 66.79,108.88 arc(66.96,108.95) 67.03,109.12 67.03,109.24 arc(66.96,109.41) 66.79,109.48 66.57,109.48 arc(66.4,109.55) 66.33,109.72 66.33,116.52 v1(66.33,117.04)
  Bottom w0.127: v1(30.69,113.03) 30.67,113.05 R45.1 ; v1(62.45,117.2) 66.16,117.2 v1(66.33,117.04)
